# KiCad board AmigaPCI 68040.kicad_pcb (continued)
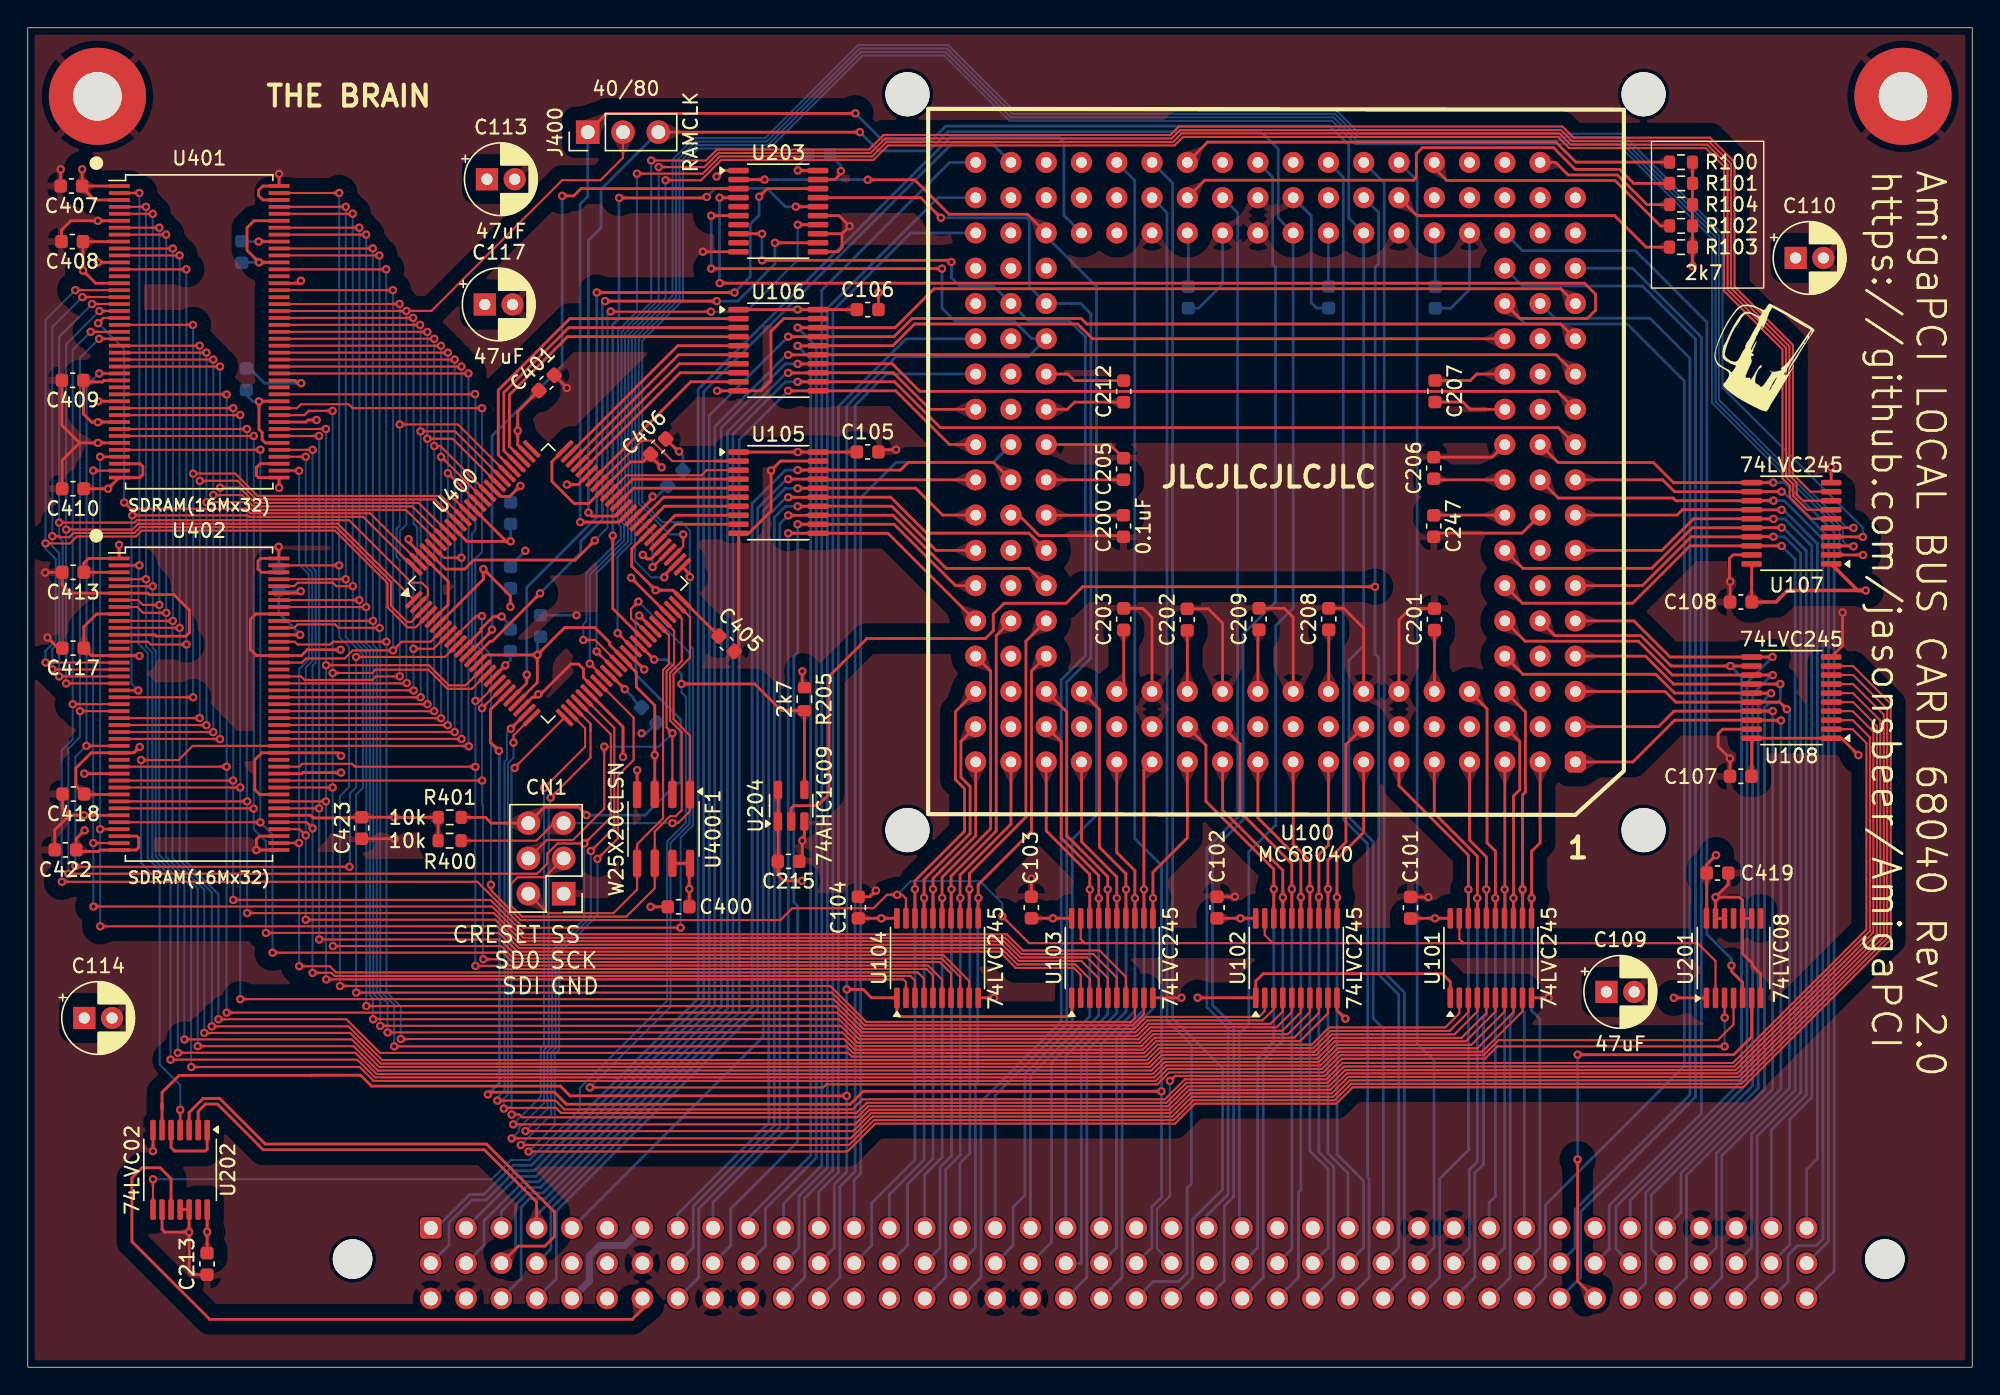
[diagram p0: board, top side]
## Nets (continued)
_RSTOUT: CN100.c34 U201.6
_TA: CN100.b21 U100.175 U400.20
_TBI: CN100.a23 U100.155
_TCI: CN100.c23 U100.171
_TEA: CN100.c21 U100.157
_TIP: CN100.a1 U100.141
_TS: CN100.b17 U100.142 U203.2
_TS-3V: U203.18 U400.21
_UMBE: U400.10 U401.28 U402.28
_UUBE: U202.4 U401.59 U402.59
A0: CN100.b3 U100.102 U106.13 U202.3
A1: CN100.a4 U100.96 U106.11 U202.2
A2: CN100.b4 U100.89 U105.18
A3: CN100.c4 U100.90 U105.17
A4: CN100.a5 U100.84 U105.16
A5: CN100.b8 U100.78 U105.14
A6: CN100.a8 U100.76 U105.15
A7: CN100.b9 U100.72 U105.12
A8: CN100.a9 U100.66 U105.11
A9: CN100.c8 U100.70 U105.13
A10: CN100.b10 U100.115 U106.18
A11: CN100.a10 U100.111 U106.16
A12: CN100.a2 U100.109 U106.17
A13: CN100.b2 U100.103 U106.15
A14: CN100.a3 U100.97 U106.14
A15: CN100.c3 U100.91 U106.12
A16: CN100.c40 U100.92 U107.11
A17: CN100.b40 U100.85 U107.12
A18: CN100.a40 U100.79 U107.14
A19: CN100.c39 U100.86 U107.13
A20: CN100.b39 U100.73 U107.15
A21: CN100.c38 U100.67 U107.17
A22: CN100.a35 U100.61 U108.11
A23: CN100.a39 U100.75 U107.16
A24: CN100.a36 U100.55 U108.14
A25: CN100.b38 U100.69 U107.18
A26: CN100.b35 U100.62 U108.12
A27: CN100.c37 U100.37 U108.16
A28: CN100.c35 U100.63 U108.13
A29: CN100.c36 U100.19 U108.17
A30: CN100.b36 U100.57 U108.15
A31: CN100.b37 U100.1 U108.18
BCLK: CN100.a28 J400.1 U100.133 U400.62
CPUCONF_RST: R205.2 U202.8 U204.4 U400.41
D0: CN100.a32 U100.39 U101.12
D1: CN100.c31 U100.21 U101.13
D2: CN100.a31 U100.40 U101.15
D3: CN100.b32 U100.2 U101.11
D4: CN100.b31 U100.3 U101.14
D5: CN100.c30 U100.4 U101.16
D6: CN100.b30 U100.5 U101.17
D7: CN100.c29 U100.6 U101.18
D8: CN100.a27 U100.25 U102.12
D9: CN100.b27 U100.7 U102.11
D10: CN100.c26 U100.8 U102.13
D11: CN100.b26 U100.9 U102.14
D12: CN100.c25 U100.10 U102.15
D13: CN100.c24 U100.11 U102.17
D14: CN100.c20 U100.12 U103.11
D15: CN100.b20 U100.13 U103.12
D16: CN100.b25 U100.29 U102.16
D17: CN100.a20 U100.14 U103.13
D18: CN100.b24 U100.30 U102.18
D19: CN100.b19 U100.15 U103.15
D20: CN100.a18 U100.16 U103.18
D21: CN100.c15 U100.17 U104.13
D22: CN100.b18 U100.34 U103.17
D23: CN100.c19 U100.51 U103.14
D24: CN100.b14 U100.18 U104.16
D25: CN100.a19 U100.52 U103.16
D26: CN100.a14 U100.36 U104.17
D27: CN100.b16 U100.58 U104.11
D28: CN100.b13 U100.54 U104.18
D29: CN100.a16 U100.64 U104.12
D30: CN100.b15 U100.65 U104.14
D31: CN100.a15 U100.60 U104.15
EMA0: U400.95 U401.25 U402.25
EMA1: U400.94 U401.26 U402.26
EMA2: U400.93 U401.27 U402.27
EMA3: U400.96 U401.60 U402.60
EMA4: U400.89 U401.61 U402.61
EMA5: U400.87 U401.62 U402.62
EMA6: U400.86 U401.63 U402.63
EMA7: U400.85 U401.64 U402.64
EMA8: U400.83 U401.65 U402.65
EMA9: U400.82 U401.66 U402.66
EMA10: U400.91 U401.24 U402.24
EMA11: U400.90 U401.21 U402.21
EMA12: U400.81 U401.69 U402.69
EMCLKE: U400.8 U401.67 U402.67
LVA0: U106.7 U400.72
LVA1: U106.9 U400.69
LVA2: U105.2 U400.68
LVA3: U105.3 U400.66
LVA4: U105.4 U400.65
LVA5: U105.6 U400.60
LVA6: U105.5 U400.64
LVA7: U105.8 U400.57
LVA8: U105.9 U400.56
LVA9: U105.7 U400.59
LVA10: U106.2 U400.80
LVA11: U106.4 U400.78
LVA12: U106.3 U400.79
LVA13: U106.5 U400.74
LVA14: U106.6 U400.73
LVA15: U106.8 U400.71
LVA16: U107.9 U400.34
LVA17: U107.8 U400.36
LVA18: U107.6 U400.40
LVA19: U107.7 U400.37
LVA20: U107.5 U400.54
LVA21: U107.3 U400.53
LVA22: U108.9 U400.33
LVA23: U107.4 U400.52
LVA24: U108.6 U400.29 U401.23 U402.23
LVA25: U107.2 U400.51 U401.22 U402.22
LVA26: U108.8 U400.30
LVA27: U108.4 U400.26
LVA28: U108.7 U400.28
LVA29: U108.3 U400.25
LVA30: U108.5 U400.27
LVA31: U108.2 U400.24
LVD0: U101.8 U401.2 U402.2
LVD1: U101.7 U401.4 U402.4
LVD2: U101.5 U401.5 U402.5
LVD3: U101.9 U401.7 U402.7
LVD4: U101.6 U401.8 U402.8
LVD5: U101.4 U401.10 U402.10
LVD6: U101.3 U401.11 U402.11
LVD7: U101.2 U401.13 U402.13
LVD8: U102.8 U401.74 U402.74
LVD9: U102.9 U401.76 U402.76
LVD10: U102.7 U401.77 U402.77
LVD11: U102.6 U401.79 U402.79
LVD12: U102.5 U401.80 U402.80
LVD13: U102.3 U401.82 U402.82
LVD14: U103.9 U401.83 U402.83
LVD15: U103.8 U401.85 U402.85
LVD16: U102.4 U401.31 U402.31
LVD17: U103.7 U401.33 U402.33
LVD18: U102.2 U401.34 U402.34
LVD19: U103.5 U401.36 U402.36
LVD20: U103.2 U401.37 U402.37
LVD21: U104.7 U401.39 U402.39
LVD22: U103.3 U401.40 U402.40
LVD23: U103.6 U401.42 U402.42
LVD24: U104.4 U401.45 U402.45
LVD25: U103.4 U401.47 U402.47
LVD26: U104.3 U401.48 U402.48
LVD27: U104.9 U401.50 U402.50
LVD28: U104.2 U400.15 U401.51 U402.51
LVD29: U104.8 U400.16 U401.53 U402.53
LVD30: U104.6 U400.19 U401.54 U402.54
LVD31: U104.5 U400.18 U401.56 U402.56
PCLK: CN100.a24 J400.3 U100.135 U400.63
R_W: CN100.b12 U100.112 U101.1 U102.1 U103.1 U104.1 U202.6 U203.6
R_W-3V: U203.14 U400.97
RAMCLK: J400.2 U401.68 U402.68
SIZ0: CN100.c16 U100.119 U203.8
SIZ0-3V: U203.12 U400.13
SIZ1: CN100.a17 U100.118 U203.17
SIZ1-3V: U203.3 U400.12
TM0: CN100.a12 U100.114
TM1: CN100.c12 U100.108
TM2: CN100.a13 U100.95
TT0: CN100.c32 U100.117 U203.4
TT0-3V: U203.16 U400.42
TT1: CN100.b33 U100.116
UPA0: CN100.c33 U100.123
UPA1: CN100.b34 U100.121
Net-(U202-Pad1): U202.1 U202.5

Pads without a net: U100 120 124 126 127 140 145 147 148 149 158 164 170 176 177; U201 8 11; U202 13; U203 5 7 9; U400 76; U401 14 30 57 70 73; U402 14 30 57 70 73

## Via types
v1: diameter 0.6, hole 0.3, Top to Bottom, 435 vias

## Routing (per net, layer and track width the routed paths; a pad name or vN(x,y) marks a point on that pad's centre or on a via; arc(x,y) is an arc through that point)
+1V2: length 87.7
  Top w0.2: C401.1 35.28,68.82 v1(35.28,67.44) 35.28,66.43 U400.77 ; v1(44.99,62.71) 44.99,62.57 U400.61 ; U400.11 32.63,53.04 32.63,53.18 33.52,54.06 v1(34.13,54.06) ; 41.84,49.97 v1(42.99,48.83)
  In2.Cu w1.5: CN100.a6 41.72,11.74 42.27,12.29 42.27,39.77 38.16,43.88 38.16,60.42 36.72,61.86 36.72,70.43 32.91,74.24 C117.1
  Bottom w0.2: 34.75,53.44 v1(34.13,54.06) ; C404.1 45.29,62.71 v1(44.99,62.71) ; C403.1 43.63,48.08 43.63,48.19 v1(42.99,48.83)
+3V3: length 262.5
  Top w0.2: C104.1 v1(61.46,32.33) U104.20 ; U402.55 19.72,42.75 19.79,42.83 v1(22.56,42.83) ; U105.1 v1(55.45,65.91) U105.20 59.69,65.91 ; v1(55.75,35.03) 54.42,35.03 54,35.45 54,36.43 ; U402.3 C413.1 4.04,57.91 4.38,58.25 U402.1 v1(6.58,59.23) ; 44.84,65.61 v1(45.64,64.81) ; U401.35 5.07,68.07 v1(5.06,68.06) 4.61,68.06 4.01,68.66 C409.1 ; U400.38 41.9,52.03 41.9,52.2 40.82,53.27 38.66,53.27 v1(36.69,51.3) ; C406.1 44.29,65.21 43.39,65.21 U400.67 40.39,62.21 39.33,62.21 37.74,63.8 37.74,65.22 U400.75 ; C400.2 47.63,34.44 v1(47.63,34.44) 47.63,36.24 ; U106.1 v1(55.43,76.17) U106.20 C106.1 ; U401.55 16.66,69.57 v1(16.65,69.56) 16.65,67.55 16.87,67.33 16.87,66.81 17.11,66.57 U401.49 ; U401.15 4.89,78.07 v1(3.98,78.98) C408.1 U401.9 ; 99.57,32.33 v1(101.32,32.33) U101.20 ; 124.12,55.12 124.12,56.58 124.12,56.58 124.12,56.59 U107.20 ; U401.81 16.29,82.57 15.79,82.07 15.79,80.44 16.66,79.57 U401.75 ; v1(36.69,51.3) 36.69,49.32 U400.22 ; v1(36.69,51.3) 33.01,51.3 U400.14 ; U401.29 5.48,71.07 5.37,70.96 4.13,70.96 ; 3.92,84.95 4.8,84.07 U401.3 ; U402.9 4.96,54.25 4.04,53.33 C417.1 4.58,51.25 U402.15 8.02,51.25 v1(8.04,51.23) ; U400F1.7 U400F1.8 ; U102.20 v1(87.32,32.33) C102.1 ; U400.31 42.86,46.12 v1(42.86,43.95) ; U402.49 20.37,39.75 20.56,39.56 23.25,39.56 23.3,39.61 C423.1 v1(26.4,39.61) 26.41,39.6 R401.1 ; U401.41 8.09,65.07 8.29,64.87 8.29,64.28 8.08,64.07 U401.43 ; C103.1 v1(73.81,32.33) U103.20 ; U400.92 31.62,59.48 v1(34.77,59.48) 34.45,59.48 U400.88 ; 6.58,64.07 v1(5.78,63.27) C410.1 ; v1(3.92,86.28) C407.1 U401.1 ; v1(55.44,86.19) 55.44,86.19 56.9,86.19 ; U402.41 7.86,38.25 7.98,38.13 7.98,37.42 7.81,37.25 U402.43 5.19,37.25 5.09,37.15 3.6,37.15 ; 54.03,36.43 54.03,39.3 ; U402.75 v1(19.62,52.75) ; v1(131.81,44.08) 130.59,45.3 U108.1 U108.20 124.12,42.57 ; C418.1 3.47,41.87 3.47,43.15 4.56,44.25 U402.29 7.63,44.25 v1(8.06,44.68) ; U201.1 v1(118.52,26.6) ; v1(34.75,54.76) 34.75,55.55 v1(32.8,57.49) 32.8,56.75 U400.6 ; R400.1 29.55,39.59 ; U402.81 19.52,55.75 v1(19.66,55.89) ; U402.35 4.09,41.25 ; 45.14,41.24 v1(45.14,44.08) 45.14,47.67 43.82,48.99 43.82,50.04 42.89,50.96 ; v1(121.56,36.88) 120.89,36.21 C419.2 120.89,32.35 ; U202.14 v1(12.92,9.74) 12.92,8.22 ; U204.1 U204.5 ; U400.58 43.49,58.95 43.49,57.68 v1(45.21,55.96) 46.45,55.96 U400.50 ; 47.14,55.28 C405.1 ; v1(4.1,38.67) 3.49,38.06 C422.1 ; v1(55.77,50.12) 55.77,49.09
  Top w0.25: 131.99,55.94 131.76,55.94 U107.1 ; 131.99,55.94 126.7,55.94 125.87,55.11 C108.1 ; 131.99,55.94 v1(132.34,55.94)
  Bottom w0.2: C425.1 18.08,54.32 19.62,52.78 v1(19.62,52.75) ; v1(16.65,69.56) 16.2,69.56 15.74,70.02 C411.1 ; v1(36.69,51.3) 36.69,52.38 ; C415.1 v1(34.77,59.48) ; C214.1 55.44,86.54 v1(55.44,86.19) ; v1(34.75,54.76) 34.75,56.08 ; v1(16.65,79.57) 15.75,79.57 ; v1(19.66,55.89) 18.14,55.89
+5V: length 223.6
  Top w0.2: U100.105 104.33,71.53 103.86,71.07 C207.1 ; v1(119.87,79.3) 119.86,79.31 R103.1 R100.1 ; U100.81 101.24,61.37 ; U100.100 74.85,68.99 75.37,69.51 C212.1 ; U100.48 83.49,53.06 ; C200.1 73.34,61.36 ; U100.88 78.89,63.91 ; C201.1 101.28,48.68 ; U100.87 101.31,63.91 ; C208.1 93.67,48.69 ; C203.1 78.91,49.17 U100.50 ; U100.46 88.57,53.03
  In2.Cu w1.5: CN100.a7 44.26,21.21 59.47,36.42 59.47,41.57 62.65,44.75 ; CN100.a22 87.05,14.72 92.58,14.72 96.12,18.26 96.12,37.69 96.11,37.7 ; 111.68,38.11 113.66,36.13 C109.1 113.66,22.74 110.3,19.37 CN100.a33 ; CN100.a25 CN100.a26 92.52,12.25 97.86,17.59 97.86,37.94
  Bottom w0.2: C211.1 101.34,81.62 ; U100.134 93.65,77.85 ; C204.1 83.56,81.62
  Bottom w0.5: CN100.a7 43,8.77 41.2,8.77 40.44,8.01 40.44,6.21 CN100.c5
GND: length 356.4
  Top w0.2: v1(109.49,26.61) 109.48,26.61 108.27,26.61 ; C203.2 80.29,54.65 80.95,53.99 U100.49 ; v1(11.62,9.73) 9.87,9.73 9.67,9.93 U202.9 ; v1(11.62,9.73) 11.62,6.81 11.77,6.66 C213.1 ; v1(11.62,9.73) U202.12 U202.11 ; v1(20.8,68.22) 20.18,68.22 20.03,68.07 U401.52 ; U100.106 74.89,71.53 75.36,71.06 C212.2 ; U402.46 16.7,38.25 16.46,38.01 v1(16.46,37.24) 16.47,37.25 U402.44 ; U107.10 129.84,64.82 v1(129.84,64.83) ; C419.1 122.44,34.77 v1(121.52,33.85) ; U203.10 48.61,80.34 v1(48.61,80.34) ; 3,39.75 1.94,38.69 C422.2 ; 3,39.75 2.51,40.24 C418.2 ; 3,39.75 v1(4.06,39.75) U402.38 ; v1(18.1,85.95) U401.86 16.93,85.07 16.61,84.75 16.61,84.39 16.93,84.07 U401.84 ; C408.2 2.43,81.9 3.1,82.57 v1(5.05,82.57) U401.6 ; U100.45 91.11,53.84 91.11,53.84 91.11,54.02 90.47,54.66 C209.2 ; U402.12 9.15,52.75 9.25,52.65 11.39,52.65 11.64,52.9 11.64,54.52 10.52,55.64 8.75,55.64 8.64,55.75 U402.6 3.05,55.75 2.49,56.31 C413.2 1.27,57.25 v1(1.26,57.24) ; C423.2 v1(26.41,38.06) ; U204.3 55.92,38.07 v1(55.77,37.92) 55.77,36.65 ; U108.19 122.04,45.95 121.71,45.62 121.71,44.69 v1(122.56,43.84) 122.56,43.84 C107.2 ; 50.86,51.76 51.18,52.07 51.18,52.22 51.17,52.22 U105.10 51.91,60.06 53.52,61.67 v1(53.52,64.58) 54.2,65.26 U105.19 ; U203.15 58.41,82.94 v1(59.17,82.18) 58.63,81.64 ; U400.23 36.33,48.26 36.55,48.26 v1(36.76,48.46) 36.93,48.46 39.11,50.64 39.65,50.64 40.01,50.29 40.01,49.68 U400.32 ; 3.73,66.57 v1(5.06,66.57) U401.38 ; 3.73,66.57 2.46,67.84 C409.2 ; 3.73,66.57 2.48,65.32 C410.2 ; v1(86.91,33.89) 86.9,33.88 C102.2 ; U402.84 16.82,57.25 16.58,57.49 16.58,58.06 16.77,58.25 U402.86 18.08,59.08 v1(18.07,59.09) ; U100.93 105.44,65.54 C206.2 ; C407.2 v1(2.37,86.27) ; C103.2 v1(72.26,35.18) ; v1(121.52,33.85) U201.13 U201.12 ; v1(121.52,33.85) 123.26,33.85 123.47,33.64 U201.10 ; C207.2 103.32,69.52 103.85,68.99 U100.99 ; U400.98 27.42,59.44 v1(27.42,59.64) ; 71.36,61.37 72.83,59.89 78.81,59.89 ; v1(19.67,78.25) 19.49,78.07 U401.72 ; U401.32 v1(5.07,69.57) ; U108.10 130.66,51.97 v1(130.66,54.36) ; 37.9,71.45 v1(38.82,70.53) ; U400.84 34.04,62.71 34.7,62.71 v1(35.47,63.48) ; C406.2 46.84,65.95 v1(46.9,65.95) ; 51.17,86.19 50.03,86.19 v1(49.6,85.75) ; C101.2 100.84,33.87 v1(100.85,33.86) ; 46.08,54.22 v1(43.44,56.86) ; U400.17 34.39,50.55 v1(34.39,50.56) ; v1(58.55,86.15) 58.55,85.97 58.11,85.54 U203.19 ; U203.13 58.63,81.64 ; 58.63,81.64 58.63,80.64 58.32,80.34 U203.11 ; U201.10 U201.9 ; U201.10 123.47,29.78 124.18,29.07 124.18,28.93 124.77,28.34 U201.7 ; U401.78 v1(16.62,81.07) ; U400.55 44.87,58.21 44.58,58.21 v1(44.28,58.51) ; 2.19,51.79 v1(1.42,52.55) ; U106.19 54.43,75.52 53.51,74.6 53.51,71.05 52.78,70.32 U106.10 v1(49.63,70.32) ; U401.12 v1(5.05,79.57) ; U400.5 30.27,54.92 30.27,56.6 28.51,58.35 ; v1(61.26,77.42) 61.25,77.41 C106.2 ; 81.01,26.61 83.06,26.61 v1(83.07,26.61) ; v1(94.87,25.1) 94.26,25.71 U102.10 ; U100.94 77.92,66.45 C205.2 ; 46.08,33.16 v1(44.84,33.16) ; U104.10 69.56,26.61 v1(69.57,26.61) ; U402.52 16.7,41.25 16.35,41.6 16.35,43.74 16.86,44.25 U402.58 22.34,44.25 v1(22.56,44.03) ; U202.7 v1(9.02,15.56) ; U100.80 107.59,60.07 101.49,60.07 ; v1(38.82,63.57) 39.63,63.57 U400.70 ; C208.2 94.75,54.66 96.19,53.22 U100.43 ; v1(22.52,51.68) 20.13,51.68 19.71,51.25 U402.72 16.48,51.25 16.03,51.7 16.03,53.86 16.42,54.25 U402.78 ; 43.25,51.39 v1(44.39,50.25) ; U107.19 122.78,58.51 122.52,58.24 122.52,56.63 v1(122.57,56.58) C108.2 ; U400F1.4 43.87,43 v1(43.88,43) ; C104.2 60.62,33.88 v1(61.07,34.33) ; U100.47 86.03,53.59 85,54.62 C202.2 ; U100.42 98.73,53.83 99.54,54.64 C201.2 ; U402.32 v1(4.07,42.75) ; U401.58 19.23,71.07 19.43,70.87 v1(19.69,70.87) ; U401.46 16.74,65.07 16.47,64.8 16.47,64.21 16.61,64.07 U401.44 v1(18.1,63.33) ; v1(62.52,66.08) 61.41,66.08
  Bottom w0.2: C211.2 102.46,76.27 103.81,77.62 U100.130 ; v1(19.69,70.87) 17.05,70.87 15.99,71.93 ; C204.2 84.31,76.27 86.03,78 U100.137 ; v1(16.62,81.07) 15.8,81.07 15.74,81.14 ; C425.2 18.08,59.08 v1(18.07,59.09) ; U100.153 92.41,82.93 92.41,76.67 92.8,76.28 C210.2 ; v1(58.55,86.15) 58.55,86.54 C214.2 ; v1(34.39,50.56) 34.75,50.92 C402.2 ; C415.2 34.77,62.78 v1(35.47,63.48) ; 34.76,57.73 v1(35.83,58.8) ; v1(39.51,54.15) 39.5,54.16 C416.2 ; v1(44.2,45.65) 44.52,45.65 C403.2 ; C404.2 47.17,65.68 v1(46.9,65.95)
/Card Connector/CDONE: length 128.8
  Top w0.15: U201.4 122.82,24.69 121.68,23.56 105.9,23.56 104.81,22.47 94.51,22.47 93.27,21.23 82.17,21.23 81.31,20.37 57.5,20.37 57.27,20.15 v1(40.47,20.15) ; v1(43.97,55.14) 43.43,54.61 43.43,53.92 43.79,53.57 43.9,53.57 U400.43
  Bottom w0.15: v1(43.97,55.14) 47.64,51.47 47.64,39.13 46.28,37.77 46.28,25.96 v1(40.47,20.15)
/Card Connector/U109_CRESET: length 32.6
  Top w0.2: v1(44.03,54.14) 44.03,54.14 U400.44 ; R401.2 32.96,39.6 33.37,39.19 CN1.6 37.19,40.34 39.65,40.34 v1(40.23,39.76)
  Bottom w0.2: v1(44.03,54.14) 43.79,53.9 43.79,49.88 47.02,46.65 47.02,42.07 46.77,42.07 44.46,39.76 v1(40.23,39.76)
/Card Connector/U109_SCK: length 39.7
  Top w0.15: CN1.3 37.23,35.29 35.28,35.29 34.78,34.79 34.78,33.27 35.59,32.45 43.1,32.45 45.14,34.5 45.14,38.58 46.24,39.68 46.65,39.68 47.09,40.12 47.09,45.73 46.24,46.58 46.24,50.02 47.09,50.86 47.09,53.91 U400.48
/Card Connector/U109_SDI: length 29.5
  Top w0.15: CN1.2 37.45,32.7 42.17,32.7 43.87,34.41 U400F1.5 43.87,37.67 45.74,39.54 45.74,50.22 46.16,50.64 46.16,52.72 U400.45
/Card Connector/U109_SDO: length 30.1
  Top w0.15: v1(41.51,44.7) 41.51,40.23 39.25,37.97 37.37,37.97 CN1.4 ; U400.46 46.54,53.05 46.54,50.66 45.99,50.12 45.99,46.08 v1(46.41,45.66) U400F1.2
  Bottom w0.15: v1(46.41,45.66) 45.44,44.69 41.52,44.69 v1(41.51,44.7)
/Card Connector/U109_SS: length 32.9
  Top w0.15: R400.2 36.63,37.92 37.89,39.19 ; U400.49 47.68,54.03 47.68,51.1 46.49,49.91 46.49,46.68 47.68,45.49 U400F1.1 47.68,40.05 46.82,39.19 v1(46.42,39.19)
  Bottom w0.15: CN1.5 v1(46.42,39.19)
/CPU/_CDIS: length 18.7
  Top w0.2: R102.2 117.56,82.2 114.29,85.47 102.17,85.47 101.27,86.37
/CPU/_MDIS: length 21
  Top w0.2: U100.150 100.02,82.94 114.25,82.94 116.52,80.67 R103.2
/CPU/SC0: length 35.9
  Top w0.2: R100.2 111.46,86.79 110.02,88.23 84.95,88.23 U100.173
/CPU/SC1: length 38.3
  Top w0.2: U100.156 84.75,85.49 99.78,85.49 99.98,85.69 99.98,87.4 100.41,87.83 109.86,87.83 111.42,86.27 114.62,86.27 115.63,85.26 R101.2
/CPU/TDO: length 10.6
  Top w0.2: R104.2 116.59,83.73 114.45,85.87 110.91,85.87 110.01,86.77 U100.163
_BB: length 102.4
  Bottom w0.2: U100.178 69.37,88.19 66.6,88.19 48.67,70.26 48.67,26.38 36.43,14.15 35.11,14.15 33,12.04 31.98,12.04 30.33,10.39 30.33,8.8 CN100.b1
_BG: length 85.4
  Bottom w0.2: CN100.c22 83.87,6.47 83.87,10.65 86.03,12.8 86.03,21.54 82.43,25.14 82.43,85.29 U100.174
_BR: length 83.6
  Bottom w0.2: U100.179 66.38,86.77 57.17,77.56 57.17,14.54 54.42,11.79 CN100.a11
_CPUCONF: length 50.4
  Top w0.2: U202.10 10.32,13.58 9.54,14.36 8.23,14.36 7.5,13.63 7.5,9.05 13.1,3.45 43.51,3.45 44.26,4.19 CN100.c7
_EM0CS: length 38.4
  Top w0.15: U401.20 5.45,75.57 v1(5.07,75.19) ; v1(6.94,62.28) 7.4,61.83 15.7,61.83 16.03,61.5 24.65,61.5 25.87,60.28 25.87,60.28 U400.99
  Bottom w0.15: v1(6.94,62.28) 6.94,73.32 v1(5.07,75.19)
_EM1CS: length 36
  Top w0.15: 27.75,57.65 24.15,61.25 15.92,61.25 15.82,61.35 v1(7.53,61.35) ; v1(7.96,48.74) 6.59,48.74
  Bottom w0.15: v1(7.53,61.35) 7.47,61.29 7.47,49.23 v1(7.96,48.74)
_EMCAS: length 64.4
  Top w0.15: v1(2.26,60.83) 7.68,60.83 7.85,61 23.14,61 27.64,56.5 28.38,56.5 28.82,56.06 28.82,55.59 U400.2 ; v1(2.26,49.75) U402.18 ; U401.18 v1(4.63,76.57)
  Bottom w0.15: v1(2.26,49.75) 2.26,51.87 2.51,52.12 2.51,59.49 2.26,59.74 v1(2.26,60.83) 2.26,74.2 v1(4.63,76.57)
_EMRAS: length 60.5
  Top w0.15: U401.19 v1(5.16,76.07) ; v1(2.76,60.33) 7.53,60.33 7.95,60.75 22.32,60.75 U400.1 ; v1(2.76,49.25) U402.19
  Bottom w0.15: v1(2.76,49.25) v1(2.76,60.33) 2.76,73.68 v1(5.16,76.07)
_EMWE: length 66.9
  Top w0.15: v1(1.77,59.85) 2.29,59.85 2.36,59.78 3,59.78 3.3,60.08 7.68,60.08 8.1,60.5 22.22,60.5 26.15,56.57 26.15,54.84 27.31,53.68 27.62,53.68 U400.3 ; v1(3.93,77.07) U401.17 ; U402.17 v1(1.77,50.25)
  Bottom w0.15: v1(1.77,50.25) 1.77,51.73 2.26,52.23 2.26,58.63 1.77,59.12 v1(1.77,59.85) 1.77,74.91 v1(3.93,77.07)
_IPL0: length 83.7
  Bottom w0.2: U100.169 94.71,85.71 94.71,50.19 94.73,50.17 94.73,39.45 96.47,37.71 96.47,13.69 96.57,13.59 96.57,6.47 CN100.c27
_IPL1: length 83.7
  Bottom w0.2: U100.168 97.67,85.29 97.67,28.44 99.11,27 99.11,6.47 CN100.c28
_IPL2: length 80.8
  Bottom w0.2: CN100.b29 101.25,8.61 101.25,22.1 100.04,23.31 100.04,85.46 U100.167
_LBEN: length 58.4
  Top w0.15: v1(82.24,20.62) 82.6,20.98 93.38,20.98 94.62,22.22 104.92,22.22 105.8,23.11 v1(122.18,23.11) ; v1(122.18,25.17) 122.18,26.59
  Bottom w0.15: v1(122.18,23.11) v1(122.18,25.17) ; CN100.b22 81.31,8.54 81.31,11.4 82.23,12.32 82.23,20.61 v1(82.24,20.62)
_LLBE: length 69
  Top w0.15: v1(1.28,50.76) 1.29,50.75 U402.16 ; v1(1.28,59.33) 3.04,59.33 3.54,59.83 7.78,59.83 8.2,60.25 22.11,60.25 25.9,56.47 25.9,54.74 27.35,53.28 27.92,53.28 U400.4 ; U401.16 v1(3.42,77.57)
  Bottom w0.15: v1(1.28,50.76) 1.28,51.6 2.01,52.33 2.01,58.2 1.28,58.93 v1(1.28,59.33) 1.28,75.44 v1(3.42,77.57)
_LMBE: length 47
  Top w0.15: U401.71 v1(26.29,77.57) ; U400.7 29.01,52.25 26.92,52.25 v1(26.3,51.63) 23.4,51.63 22.81,51.05 20.03,51.05 19.74,50.75 U402.71
  Bottom w0.15: v1(26.3,51.63) 26.3,77.56 v1(26.29,77.57)
_LOCK: length 84
  Bottom w0.2: CN100.b11 55.53,8.61 55.53,12.34 57.57,14.37 57.57,76.25 65.55,84.23 U100.162
_LOCKE: length 85.2
  Bottom w0.2: CN100.c11 55.93,6.47 55.93,12.17 57.97,14.2 57.97,76.08 63.58,81.69 U100.144
_RAMEN: length 127.2
  Top w0.15: 103.39,30.54 101.58,30.54 101.58,30.54 90.04,30.54 ; 103.39,30.54 120.23,30.54 121.52,29.25 U201.2 ; 103.39,30.54 103.07,30.85 U101.19 ; U400.9 32.28,54.1 v1(32.7,54.1) ; 90.04,30.54 89.65,30.54 89.06,31.13 U102.19 ; 90.04,30.54 76.27,30.54 ; 76.27,30.54 72.1,30.54 v1(70.16,32.48) ; 76.27,30.54 76.11,30.54 75.81,30.84 U103.19 ; U104.19 63.23,33.76 62.96,34.03 62.6,34.03 v1(62.59,34.02) 62.58,34.03 61.87,34.03 60.89,33.06 55.06,33.06 55.05,33.07 54.19,32.2 35.49,32.2 33.35,34.35 v1(33.35,34.75)
  Bottom w0.15: v1(32.7,54.1) 32.7,51.96 33.35,51.31 v1(33.35,34.75) ; v1(62.59,34.02) 63.57,35.01 68.56,35.01 70.16,33.41 v1(70.16,32.48)
_RESET: length 133.7
  Top w0.2: v1(97.01,56.21) 75.95,56.21 74.76,55.02 70.3,55.02 69.52,54.24 69.52,53.05 68.95,52.48 60.42,52.48 57.69,49.76 57.69,41.27 56.87,40.44 55.15,40.44 54.97,40.26 U204.2
  Bottom w0.2: CN100.b28 98.71,8.61 98.71,26.83 97.27,28.28 97.27,51.11 97.01,51.37 v1(97.01,56.21) 97.01,79.23 97.27,79.49 97.27,83.15 U100.151
_RESETOUT: length 67
  Top w0.2: U201.5 123.47,27.71 122.67,28.51 v1(122.67,28.93)
  Bottom w0.2: U100.129 107.62,80.42 115.74,80.42 120.86,75.3 120.9,75.3 120.9,31.18 122.67,29.41 v1(122.67,28.93)
_RSTOUT: length 34
  Top w0.2: v1(111.59,14.97) 111.59,6.2 CN100.c34 ; U201.6 124.12,23.79 122.83,22.51 111.59,22.51 v1(111.59,22.51)
  Bottom w0.2: v1(111.59,14.97) v1(111.59,22.51)
_TA: length 160.7
  Top w0.2: v1(81.63,19.87) 60.14,19.87 59.21,18.94 38.79,18.94 37.92,19.81 33.29,19.81 v1(33.13,19.65) ; v1(33.92,44.39) 33.31,45.01 33.31,47.35 U400.20
  Bottom w0.2: U100.175 79.71,85.47 79.71,38.07 81.63,36.15 v1(81.63,19.87) 81.63,12.25 80.93,11.56 80.93,8.61 CN100.b21 ; v1(33.92,44.39) 33.96,44.36 33.96,20.48 v1(33.13,19.65)
_TBI: length 76.8
  Bottom w0.2: U100.155 87.11,83.15 87.11,39.59 84.9,37.38 84.9,25.93 86.43,24.4 86.43,12.46 84.9,10.93 CN100.a23
_TCI: length 85.7
  Bottom w0.2: U100.171 89.63,85.71 89.63,79.45 89.84,79.24 89.84,55.2 89.88,55.16 87.51,52.79 87.51,40.62 87.51,39.43 85.3,37.22 85.3,26.09 86.83,24.56 86.83,12.31 86.84,12.3 86.15,11.62 86.15,6.21 CN100.c23
_TEA: length 83.2
  Bottom w0.2: U100.157 82.03,83.15 82.03,24.98 83.78,23.23 83.78,13.22 83.47,12.92 83.47,6.77 82.88,6.18 81.05,6.18 CN100.c21
_TIP: length 110.7
  Bottom w0.2: U100.141 74.6,82.96 74.6,88.24 74.25,88.59 66.43,88.59 48.27,70.43 48.27,26.55 36.27,14.55 34.94,14.55 32.83,12.44 31.81,12.44 29.4,10.03
_TS: length 102
  Top w0.2: U100.142 71.98,83.04 66.34,83.04 63.85,85.52 v1(60.48,85.52) ; v1(53.05,85.53) 53.04,85.54 51.4,85.54
  Bottom w0.2: CN100.b17 70.94,8.77 70.94,11.52 71.8,12.38 71.8,21.16 75.21,24.57 75.21,38.01 76.95,39.75 76.95,77.84 73.33,81.45 ; v1(53.05,85.53) 60.47,85.53 v1(60.48,85.52)
_TS-3V: length 53.8
  Top w0.2: v1(35.93,49.88) 35.93,49.27 U400.21 ; v1(40.97,77.4) v1(50.89,77.4) ; v1(52.66,84.3) 53.24,84.89 U203.18
  Bottom w0.2: v1(50.89,77.4) 52.03,78.54 52.03,82.33 52.66,82.96 v1(52.66,84.3) ; v1(35.93,49.88) 35.93,56.17 40.97,61.21 v1(40.97,77.4)
_UMBE: length 82.8
  Top w0.15: U401.28 v1(5.14,71.57) ; v1(23.17,36.04) 3.48,36.04 v1(3.43,36.09) ; U400.10 30.04,51.16 v1(23.64,51.16) ; v1(4.22,44.75) U402.28
  Bottom w0.15: v1(5.14,71.57) 4.23,70.67 4.23,44.77 v1(4.22,44.75) 3.43,43.96 v1(3.43,36.09) ; v1(23.64,51.16) 23.64,41.77 23.2,41.33 23.2,36.07 v1(23.17,36.04)
_UUBE: length 92.3
  Top w0.15: v1(8.16,43.73) 10.85,43.73 11.88,44.75 U402.59 31.73,44.75 v1(31.76,44.72) ; v1(10.98,18.54) 10.98,17.09 ; U401.59 v1(31.73,71.57)
  Bottom w0.15: v1(31.73,71.57) 31.73,44.75 v1(31.76,44.72) ; v1(10.98,18.54) 10.98,20.32 9.5,21.8 9.5,34.98 8.16,36.32 v1(8.16,43.73)
A0: length 125.8
  Top w0.2: U202.3 11.62,18.34 12.63,19.35 13.82,19.35 17.1,16.07 33.03,16.07 37.93,11.18 37.93,9.42 37.23,8.72 35.33,8.72 CN100.b3 ; 56.9,71.61 v1(54.75,71.61) ; U100.102 64.96,68.99 62.33,71.62 U106.13
  Bottom w0.2: CN100.b3 35.12,8.52 35.12,11.69 35.98,12.55 37.1,12.55 50.38,25.83 50.38,67.37 54.62,71.61 v1(54.75,71.61)
A1: length 113.6
  Top w0.2: CN100.a4 36.64,11.9 32.88,15.66 16.95,15.66 13.66,18.95 12.8,18.95 12.27,18.42 U202.2 ; v1(54.75,70.32) U106.11 62.49,70.32 66.36,66.45 U100.96
  Bottom w0.2: v1(54.75,70.32) 51.23,66.8 51.23,25.55 36.64,10.96 CN100.a4
A2: length 81.5
  Top w0.2: 56.9,64.61 v1(55.43,64.61) ; U105.18 62.84,64.61 63.4,65.17 69.53,65.17 U100.89
  Bottom w0.2: v1(55.43,64.61) 54.55,64.61 52.15,62.21 52.15,25.91 37.66,11.42 37.66,8.52 CN100.b4
A3: length 80
  Top w0.2: U100.90 56.95,63.91 ; 56.9,63.96 v1(54.75,63.96)
  Bottom w0.2: v1(54.75,63.96) 54.65,63.96 52.55,61.87 52.55,25.74 38.06,11.25 38.06,6.38 CN100.c4
A4: length 74.1
  Top w0.2: 56.9,63.3 v1(55.43,63.3) ; U100.84 65.87,61.37 63.93,63.31 U105.16
  Bottom w0.2: v1(55.43,63.3) 54.55,63.3 52.95,61.7 52.95,23.81 CN100.a5
A5: length 72.7
  Top w0.2: 56.9,62 v1(55.43,62) ; U100.78 65.39,58.83 62.21,62.01 U105.14
  Bottom w0.2: CN100.b8 47.91,8.61 47.91,11.59 53.75,17.43 53.75,61.2 54.55,62 v1(55.43,62)
A6: length 76.2
  Top w0.2: 56.9,62.65 v1(54.75,62.65) ; U100.76 72.09,60.07 64.72,60.07 62.13,62.66 U105.15
  Bottom w0.2: v1(54.75,62.65) 54.62,62.65 53.35,61.39 53.35,17.59 46.8,11.04 CN100.a8
A7: length 70.6
  Top w0.2: 56.9,60.71 v1(55.43,60.71) ; U100.72 66.8,56.29 62.38,60.71 U105.12
  Bottom w0.2: CN100.b9 50.62,8.77 50.62,11.42 55.43,16.24 55.43,33.22 55.15,33.5 55.15,51.19 55.43,51.47 v1(55.43,60.71)
A8: length 68.4
  Top w0.2: U100.66 61.94,60.06 U105.11 ; 56.9,60.06 v1(54.75,60.06)
  Bottom w0.2: v1(54.75,60.06) 54.75,17.3 49.34,11.88 CN100.a9
A9: length 80.4
  Top w0.2: U105.13 62.29,61.36 66.12,57.53 72.09,57.53 U100.70 ; 56.9,61.35 v1(54.75,61.35)
  Bottom w0.2: v1(54.75,61.35) 54.15,60.75 54.15,17.26 48.31,11.42 48.31,6.47 CN100.c8
A10: length 127.6
  Top w0.2: U100.115 110.37,77.67 65.25,77.67 62.45,74.87 U106.18 v1(55.43,74.87)
  Bottom w0.2: CN100.b10 53.11,8.72 53.11,11.41 56.77,15.07 56.77,73.53 v1(55.43,74.87)
A11: length 117.8
  Top w0.2: 56.9,73.56 v1(55.43,73.56) ; U106.16 62.28,73.57 63.85,75.13 75.61,75.13 76.67,74.07 U100.111
  Bottom w0.2: CN100.a10 51.88,10.75 56.37,15.24 56.37,72.62 v1(55.43,73.56)
A12: length 132.4
  Top w0.2: U100.109 110.37,75.13 76.25,75.13 75.85,75.53 63.68,75.53 62.37,74.22 U106.17 v1(54.75,74.22)
  Bottom w0.2: v1(54.75,74.22) 49.07,68.54 49.07,26.22 36.6,13.75 35.27,13.75 CN100.a2
A13: length 133
  Top w0.2: 56.9,72.91 v1(54.75,72.91) ; U106.15 110.04,72.92 U100.103
  Bottom w0.2: CN100.b2 32.85,8.78 32.85,10.54 35.65,13.35 36.76,13.35 49.47,26.05 49.47,67.75 54.63,72.91 v1(54.75,72.91)
A14: length 129.6
  Top w0.2: U100.97 110.14,70.28 73.01,70.28 73.01,70.29 64.23,70.29 62.24,72.27 U106.14 ; 56.9,72.26 v1(55.43,72.26)
  Bottom w0.2: CN100.a3 34.1,11.23 35.82,12.95 36.93,12.95 49.93,25.95 49.93,67.64 54.55,72.26 v1(55.43,72.26)
A15: length 133.9
  Top w0.2: U100.91 110.21,67.67 65.71,67.67 62.41,70.97 U106.12 v1(55.43,70.97)
  Bottom w0.2: CN100.c3 35.52,6.38 35.52,11.52 36.15,12.15 37.26,12.15 50.78,25.66 50.78,67.2 54.55,70.97 v1(55.43,70.97)
A16: length 79.9
  Top w0.2: 124.24,63.71 118.49,63.71 117.04,65.16 110.18,65.16 U100.92 ; 124.17,63.72 125.67,63.72
  Bottom w0.2: v1(125.67,63.72) 126.47,63.72 130.06,60.14 130.06,6.94 CN100.c40
A17: length 72.9
  Top w0.2: U100.85 117.72,63.91 118.58,63.06 124.24,63.06 ; 124.17,63.07 126.28,63.07
  Bottom w0.2: v1(126.28,63.06) 126.38,63.06 129.65,59.8 129.65,9.07 CN100.b40
A18: length 69.3
  Top w0.2: U100.79 118.74,61.37 119.13,61.76 124.24,61.76 ; 124.17,61.75 126.28,61.75
  Bottom w0.2: CN100.a40 128.08,14.24 128.85,15.02 128.85,59.32 ; 128.11,60.06 128.85,59.32 ; 128.11,60.06 128.85,59.32 ; 128.11,60.06 126.42,61.75 v1(126.28,61.75)
A19: length 79.2
  Top w0.2: 124.17,62.42 125.69,62.42 ; 124.24,62.41 118.66,62.41 118.47,62.6 110.2,62.6 U100.86
  Bottom w0.2: CN100.c39 126.75,6.16 126.75,8.08 127.42,8.75 128.77,8.75 129.25,9.23 129.25,59.63 126.47,62.41 v1(125.69,62.41)
A20: length 72.4
  Top w0.2: U100.73 117.66,58.83 119.93,61.11 124.24,61.11 ; 124.17,61.1 125.69,61.1
  Bottom w0.2: 128.1,59.5 128.45,59.15 ; 128.1,59.5 126.5,61.1 v1(125.69,61.1) ; 128.1,59.5 128.28,59.32 ; 128.45,59.15 128.28,59.32 ; 128.45,59.15 128.45,19.44 126.87,17.86 126.87,8.82 CN100.b39 ; 128.45,59.15 128.28,59.32
A21: length 73.8
  Top w0.2: 124.24,59.81 119.76,59.81 116.25,56.29 U100.67 ; 124.17,59.82 125.69,59.82
  Bottom w0.2: CN100.c38 124.51,6.47 124.51,16.63 127.65,19.77 127.65,58.64 126.47,59.82 v1(125.69,59.82)
A22: length 60.6
  Top w0.2: U100.61 115.64,53.75 118.24,51.15 U108.11 125.62,51.15 v1(125.62,51.16)
  Bottom w0.2: CN100.a35 115.38,12.03 123.79,20.44 123.79,49.32 v1(125.62,51.16)
A23: length 74.4
  Top w0.2: 124.17,60.47 126.28,60.47 ; 124.24,60.46 119.85,60.46 116.93,57.54 107.64,57.54 U100.75
  Bottom w0.2: 128.05,58.8 127.76,59.09 ; 128.05,58.8 128.05,19.61 125.54,17.09 CN100.a39 ; 128.05,58.8 127.76,59.09 ; v1(126.28,60.47) 126.38,60.47 127.76,59.09
A24: length 58.5
  Top w0.2: v1(126.19,49.2) U108.14 118.49,49.2 116.48,51.21 U100.55
  Bottom w0.2: v1(126.19,49.2) 126.19,48.09 125.95,47.85 125.39,47.85 125.04,47.5 125.04,19.99 119.03,13.98 119.03,11.15 CN100.a36
A25: length 76.1
  Top w0.2: 124.17,59.16 126.28,59.16 ; U100.69 107.61,55.03 115.55,55.03 119.68,59.16 124.24,59.16
  Bottom w0.2: v1(126.28,59.15) 127.25,58.19 127.25,19.94 124.11,16.8 124.11,8.61 CN100.b38
A26: length 64.1
  Top w0.2: U108.12 v1(122.6,50.5) 118.32,50.5 116.13,52.69 109.95,52.69 U100.62
  Bottom w0.2: v1(122.6,50.5) 123.39,49.71 123.39,20.6 114.35,11.57 114.35,8.52 CN100.b35
A27: length 61.4
  Top w0.2: v1(126.65,47.39) 126.13,47.91 124.12,47.91 ; U100.37 117.88,48.67 118.65,47.9 U108.16
  Bottom w0.2: 126.84,46.76 126.84,47.2 v1(126.65,47.39) ; 126.84,46.76 126.84,47.29 ; 126.84,46.76 126.84,20.09 121.97,15.23 121.97,6.47 CN100.c37
A28: length 70.1
  Top w0.2: v1(125.64,49.85) 125.64,49.85 U108.13 118.41,49.85 115.97,52.29 107.81,52.29 U100.63
  Bottom w0.2: CN100.c35 116.49,6.07 116.49,12.57 124.19,20.27 124.19,48.49 125.54,49.85 v1(125.64,49.85)
A29: length 60.2
  Top w0.2: 124.12,47.26 125.64,47.26 ; U108.17 118.53,47.25 117.41,46.13 U100.19
  Bottom w0.2: v1(125.64,47.25) 125.63,47.24 125.63,20.02 119.43,13.82 119.43,6.47 CN100.c36
A30: length 65.3
  Top w0.2: U108.15 118.57,48.55 117.22,49.91 107.65,49.91 U100.57 ; 124.12,48.54 v1(125.52,48.54)
  Bottom w0.2: CN100.b36 116.89,8.52 116.89,12.41 124.59,20.1 124.59,47.61 125.51,48.54 v1(125.52,48.54)
A31: length 57.5
  Top w0.2: U100.1 115.57,43.59 118.58,46.6 U108.18 ; 124.12,46.59 126.23,46.59
  Bottom w0.2: v1(126.23,46.59) 126.23,46.58 126.23,20.05 121.57,15.39 121.57,8.61 CN100.b37
BCLK: length 169.1
  Top w0.2: v1(39.77,60.86) 42.58,60.86 U400.62 ; J400.1 41.67,90.3 59.59,90.3 v1(59.59,90.31)
  Bottom w0.2: J400.1 40.32,84.31 39.77,83.76 39.77,60.87 v1(39.77,60.86) ; CN100.a28 97.6,24.39 96.87,25.12 96.87,37.87 95.13,39.61 95.13,50.9 96.19,51.96 U100.133 95.11,82.77 95.11,88.04 93.76,89.39 66.1,89.39 65.08,88.37 61.52,88.37 v1(59.59,90.31)
CPUCONF_RST: length 89
  Top w0.15: v1(9.02,13.54) U202.8
  Top w0.2: v1(47.07,49.21) 52.34,49.21 54.26,47.29 R205.2 U204.4 ; 43.96,52.1 v1(45.1,50.96)
  Bottom w0.15: v1(47.07,49.21) 47.07,48.6 47.39,48.28 47.39,39.24 46.03,37.88 46.03,26.38 39.76,20.11 39.76,18.57 36.11,14.92 34.79,14.92 33.4,13.54 v1(9.02,13.54)
  Bottom w0.2: v1(45.1,50.96) 46.01,50.96 47.07,49.9 v1(47.07,49.21)
